# Altium PCB CONTROLLER.PcbDoc
Units mm, origin at the board's own origin, x right, y up, seen from the top; angles counter-clockwise.
Board outline 195.05 x 107.35 mm, 2 copper layers (Top Layer, Bottom Layer); 67 components, 127 nets, 388 pads, 44 vias.
Unrouted connection lines stored in the file: 1.
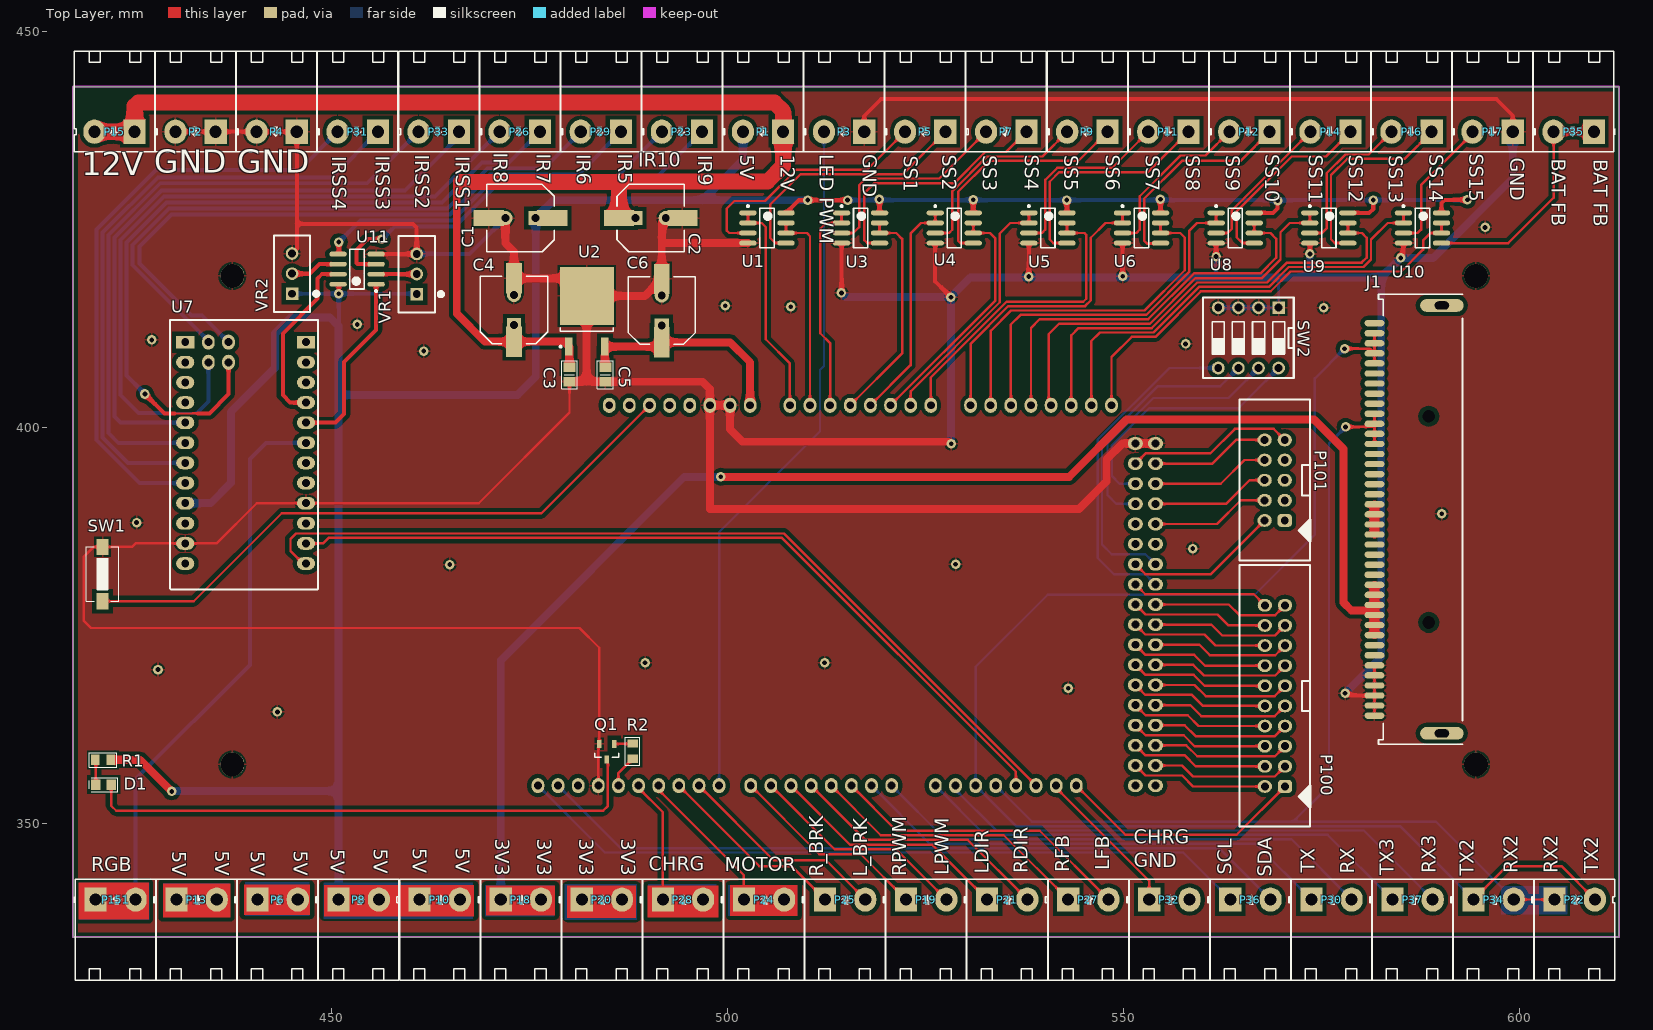
[diagram p0: Top Layer view]
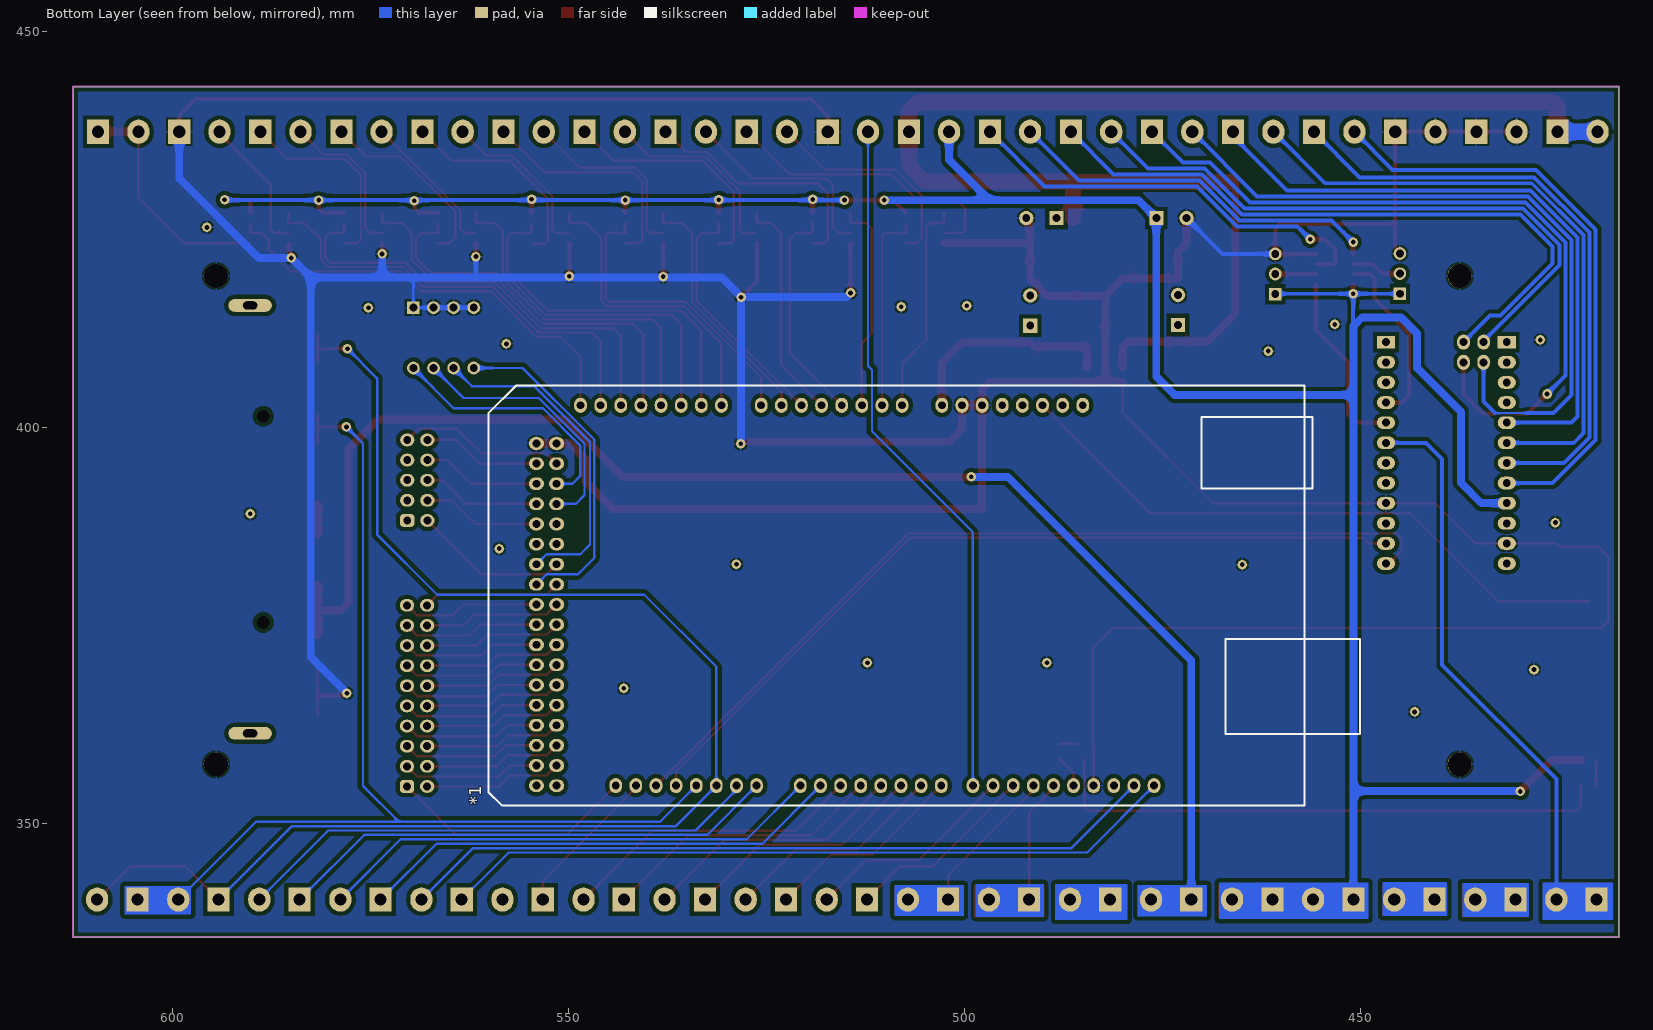
[diagram p1: Bottom Layer view, seen from below]

## Layer stack, top to bottom
Top Solder: solder mask 0.0102, Solder Resist, Dk 3.5
Top Layer: signal copper 0.0356
Dielectric 1: dielectric 0.32, FR-4, Dk 4.8
Bottom Layer: signal copper 0.0356
Bottom Solder: solder mask 0.0102, Solder Resist, Dk 3.5

## Board outline
417.45,335.7 417.45,443.05 612.5,443.05 612.5,335.7

## Design rules (kind name [scope] priority, off if disabled: settings)
Clearance [All] p1: gap=0.254 except(0.508: Arc-Poly Track-Poly SMDPad-Poly THPad-Poly Via-Poly Fill-Poly Poly-Poly Poly-Region Poly-Text)
PolygonConnect [All] p1: connectstyle=Relief reliefconductorwidth=0.254 reliefentries=4 polygonreliefangle="90 Angle" airgapwidth=0.254
RoutingVias [All] p1: holewidth=0.711 width=1.27 viastyle="Through Hole" minholewidth=0.6 minwidth=1.2 maxholewidth=0.711 maxwidth=1.27
SolderMaskExpansion [All] p1: expansion=0.102
Width [All] p1: maxlimit=5 minlimit=0.254 preferedwidth=0.254
30 further rules are at their usual default settings.

## Components (designator, comment, footprint, x,y, rotation, side; value= is the part's Value field where it differs from the comment)
*1 "Arduino Mega" "Arduino Mega" 457.096,405.327 r0 bottom
C1 "470uF" "C SMD ALU (F) DUAL" 473.9,426.45 r180 top
C2 "470uF" "C SMD ALU (F) DUAL" 490.325,426.45 r0 top
C3 "C" "C 0805" 480.075,406.7 r270 top
C4 "470uF" "C SMD ALU (F) DUAL" 473.075,414.85 r90 top
C5 "C" "C 0805" 484.6,406.7 r270 top
C6 "470uF" "C SMD ALU (F) DUAL" 491.725,414.775 r90 top
D1 "Led" "Led 0805" 421.275,354.95 r0 top
J1 "microbit socket" CONN/MIC127-140-001 590.175,388.425 r270 top
P1 "Header 2" "HDR Domino 2" 507.046,437.35 r180 top
P2 "Header 2" "HDR Domino 2" 435.433,437.35 r180 top
P3 "Header 2" "HDR Domino 2" 517.276,437.35 r180 top
P4 "Header 2" "HDR Domino 2" 445.664,437.35 r180 top
P5 "Header 2" "HDR Domino 2" 527.507,437.35 r180 top
P6 "Header 2" "HDR Domino 2" 440.711,340.45 r0 top
P7 "Header 2" "HDR Domino 2" 537.737,437.35 r180 top
P8 "Header 2" "HDR Domino 2" 450.941,340.45 r0 top
P9 "Header 2" "HDR Domino 2" 547.968,437.35 r180 top
P10 "Header 2" "HDR Domino 2" 461.172,340.45 r0 top
P11 "Header 2" "HDR Domino 2" 558.198,437.35 r180 top
P12 "Header 2" "HDR Domino 2" 568.428,437.35 r180 top
P13 "Header 2" "HDR Domino 2" 430.48,340.45 r0 top
P14 "Header 2" "HDR Domino 2" 578.659,437.35 r180 top
P15 "Header 2" "HDR Domino 2" 425.203,437.35 r180 top
P16 "Header 2" "HDR Domino 2" 588.889,437.35 r180 top
P17 "Header 2" "HDR Domino 2" 599.12,437.35 r180 top
P18 "Header 2" "HDR Domino 2" 471.402,340.45 r0 top
P19 "Header 2" "HDR Domino 2" 522.554,340.45 r0 top
P20 "Header 2" "HDR Domino 2" 481.632,340.45 r0 top
P21 "Header 2" "HDR Domino 2" 532.784,340.45 r0 top
P22 "Header 2" "HDR Domino 2" 604.397,340.45 r0 top
P23 "Header 2" "HDR Domino 2" 496.816,437.35 r180 top
P24 "Header 2" "HDR Domino 2" 502.093,340.45 r0 top
P25 "Header 2" "HDR Domino 2" 512.323,340.45 r0 top
P26 "Header 2" "HDR Domino 2" 476.355,437.35 r180 top
P27 "Header 2" "HDR Domino 2" 543.015,340.45 r0 top
P28 "Header 2" "HDR Domino 2" 491.863,340.45 r0 top
P29 "Header 2" "HDR Domino 2" 486.585,437.35 r180 top
P30 "Header 2" "HDR Domino 2" 573.706,340.45 r0 top
P31 "Header 2" "HDR Domino 2" 455.894,437.35 r180 top
P32 "Header 2" "HDR Domino 2" 553.245,340.45 r0 top
P33 "Header 2" "HDR Domino 2" 466.125,437.35 r180 top
P34 "Header 2" "HDR Domino 2" 594.167,340.45 r0 top
P35 "Header 2" "HDR Domino 2" 609.35,437.35 r180 top
P36 "Header 2" "HDR Domino 2" 563.475,340.45 r0 top
P37 "Header 2" "HDR Domino 2" 583.936,340.45 r0 top
P100 "Header 10X2" HDR/Header/20/DL/BOX 570.375,354.725 r270 top
P101 "Header 5X2" HDR/Header/10/DL/BOX 569.075,393.375 r270 top
P151 "Header 2" "HDR Domino 2" 420.25,340.45 r0 top
Q1 "Transistor NPN" SOT-23 484.775,359.1 r270 top
R1 "1K" "R 0805" 421.213,358.075 r0 top
R2 "4k7" "R 0805" 488.05,359.175 r90 top
SW1 "Button" SW/2/SMD 421.15,381.525 r90 top
SW2 "SW DIP-4" SW/DIP4 569.575,415.15 r180 top
U1 "LM358" SOIC-8 505,425.2 r0 top
U2 "7809" "TO-252 (DPAK)" 482.275,414.675 r90 top
U3 "LM358" SOIC-8 516.818,425.2 r0 top
U4 "LM358" SOIC-8 528.636,425.2 r0 top
U5 "LM358" SOIC-8 540.454,425.2 r0 top
U6 "LM358" SOIC-8 552.271,425.2 r0 top
U7 "U" "PRO MINI" 435.525,401.775 r270 top
U8 "LM358" SOIC-8 564.089,425.2 r0 top
U9 "LM358" SOIC-8 575.907,425.2 r0 top
U10 "LM358" SOIC-8 587.725,425.2 r0 top
U11 "LM358" SOIC-8 453.275,420 r180 top
VR1 "VR" "R VAR E" 460.8,416.85 r90 top
VR2 "VR" "R VAR E" 445.075,416.9 r90 top

## Footprints (in the part's own frame and the unit in brackets; to place one, negate y for a bottom-side part, rotate by r counter-clockwise, add the part's x,y. Pads: shape width x height; smd on the part's side, far side on the other; paste and mask are expansions set on the pad)
"Arduino Mega" [mm]
  oval 1.6x1.9 hole 1: 0(63.64,50.5) 1(61.1,50.5) 2(58.56,50.5) 3(56.02,50.5) 3V3(35.62,2.5) 4(53.48,50.5) 5(50.94,50.5) 5V(38.16,2.5) 6(48.4,50.5) 7(45.86,50.5) 8(41.86,50.5) 9(39.32,50.5) 10(36.78,50.5) 11(34.24,50.5) 12(31.7,50.5) 13(29.16,50.5) 14(69.16,50.5) 15(71.7,50.5) 16(74.24,50.5) 17(76.78,50.5) 18(79.32,50.5) 19(81.86,50.5) 20(84.4,50.5) 21(86.94,50.5) A0(50.8,2.5) A1(53.34,2.5) A2(55.88,2.5) A3(58.42,2.5) A4(60.96,2.5) A5(63.5,2.5) A6(66.04,2.5) A7(68.58,2.5) A8(73.6,2.5) A9(76.14,2.5) A10(78.68,2.5) A11(81.22,2.5) A12(83.76,2.5) A13(86.3,2.5) A14(88.84,2.5) A15(91.38,2.5) AREF(24.08,50.5) GND1(40.7,2.5) GND2(43.24,2.5) GND3(26.62,50.5) IOREF(30.54,2.5) NC(28,2.5) RESET(33.08,2.5) SCL(19,50.5) SDA(21.54,50.5) Vin(45.78,2.5)
  oval 1.9x1.6 hole 1: 5V_2(94.4,50.5) 5V_3(96.94,50.5) 22(94.4,47.96) 23(96.94,47.96) 24(94.4,45.42) 25(96.94,45.42) 26(94.4,42.88) 27(96.94,42.88) 28(94.4,40.34) 29(96.94,40.34) 30(94.4,37.8) 31(96.94,37.8) 32(94.4,35.26) 33(96.94,35.26) 34(94.4,32.72) 35(96.94,32.72) 36(94.4,30.18) 37(96.94,30.18) 38(94.4,27.64) 39(96.94,27.64) 40(94.4,25.1) 41(96.94,25.1) 42(94.4,22.56) 43(96.94,22.56) 44(94.4,20.02) 45(96.94,20.02) 46(94.4,17.48) 47(96.94,17.48) 48(94.4,14.94) 49(96.94,14.94) 50(94.4,12.4) 51(96.94,12.4) 52(94.4,9.86) 53(96.94,9.86) GND4(94.4,7.32) GND5(96.94,7.32)
  silkscreen extent -7,0 103,53, body extent -6.16,-0.17 101.9,53.17
"C 0805" [mm] "Chip Capacitor, 2-Leads, Body 2.0x1.3mm, IPC Medium Density"
  rect 1.2x1.5 smd: 1(-0.9,0) 2(0.9,0)
  silkscreen extent -1.78,-1 1.78,1, body extent -1,-0.64 1,0.61, height 0.6
"C SMD ALU (F) DUAL" [mm] "SMD Aluminum Electrolytic Capacitor, size F (8.0 x 10.2 mm)"
  rect 3.81x2 smd: 1(-4,0) 2(4,0)
  rect 1.8x1.8 hole 1: 1(-1.905,0)
  round 1.8 hole 1: 2(1.905,0)
  silkscreen extent -4.25,-4.25 4.25,4.25, body extent -4.95,-4.15 4.95,4.15, height 10.2
CONN/MIC127-140-001 [mm]
  oval 0.8x2.5 smd: 1(-24.765,-8.51) 2(-23.495,-8.51) 3(-22.225,-8.51) 4(-20.955,-8.51) 5(-19.685,-8.51) 6(-18.415,-8.51) 7(-17.145,-8.51) 8(-15.875,-8.51) 9(-14.605,-8.51) 10(-13.335,-8.51) 11(-12.065,-8.51) 12(-10.795,-8.51) 13(-9.525,-8.51) 14(-8.255,-8.51) 15(-6.985,-8.51) 16(-5.715,-8.51) 17(-4.445,-8.51) 18(-3.175,-8.51) 19(-1.905,-8.51) 20(-0.635,-8.51) 21(0.635,-8.51) 22(1.905,-8.51) 23(3.175,-8.51) 24(4.445,-8.51) 25(5.715,-8.51) 26(6.985,-8.51) 27(8.255,-8.51) 28(9.525,-8.51) 29(10.795,-8.51) 30(12.065,-8.51) 31(13.335,-8.51) 32(14.605,-8.51) 33(15.875,-8.51) 34(17.145,-8.51) 35(18.415,-8.51) 36(19.685,-8.51) 37(20.955,-8.51) 38(22.225,-8.51) 39(23.495,-8.51) 40(24.765,-8.51)
  oval 1.6x5.5 hole 1 slot 1.8 at 90 deg: HOLE(-27,0) HOLE(27,0)
  round 0 hole 1.6 unplated: HOLE(-13,-1.66) HOLE(13,-1.66)
  silkscreen extent -28.4,-8 28.4,2.6, body extent -28.4,-8 28.4,2.6, height 10.2
"HDR Domino 2" [mil] "Header 2, 2 pin, hight 300mil, Pin to Pin 200, Colour Green"
  rect 110x120 hole 60: 1(0,0)
  oval 110x120 hole 60: 2(200,0)
  silkscreen extent -105,-400 300,100, body extent -90,-402 302,70, height 334
HDR/Header/10/DL/BOX [mm] "10 pins Male Box Header, IDC Socket"
  rrect50% 1.6x1.8 hole 1: 1(5.08,1.27)
  oval 1.6x1.8 hole 1: 2(5.08,-1.27) 3(2.54,1.27) 4(2.54,-1.27) 5(0,1.27) 6(0,-1.27) 7(-2.54,1.27) 8(-2.54,-1.27) 9(-5.08,1.27) 10(-5.08,-1.27)
  silkscreen extent -10.16,-4.45 10.16,4.58, body extent -10.16,-4.81 10.16,4.66, height 9.27
HDR/Header/20/DL/BOX [mm] "20 pins Male Box Header, IDC Socket"
  rrect50% 1.6x1.8 hole 1: 1(0,0)
  oval 1.6x1.8 hole 1: 2(0,-2.54) 3(-2.54,0) 4(-2.54,-2.54) 5(-5.08,0) 6(-5.08,-2.54) 7(-7.62,0) 8(-7.62,-2.54) 9(-10.16,0) 10(-10.16,-2.54) 11(-12.7,0) 12(-12.7,-2.54) 13(-15.24,0) 14(-15.24,-2.54) 15(-17.78,0) 16(-17.78,-2.54) 17(-20.32,0) 18(-20.32,-2.54) 19(-22.86,0) 20(-22.86,-2.54)
  silkscreen extent -27.94,-5.72 5.08,3.31, body extent -27.94,-6.05 5.08,3.43, height 9.27
"Led 0805" [mm] "Led SMD 0805"
  rect 1.2x1.3 smd: 1(-0.975,0) 2(0.975,0)
  silkscreen extent -1.78,-0.89 1.78,0.89, body extent -1.01,-0.64 1.01,0.61, height 1.1
"PRO MINI" [mil]
  oval 62.99x90 hole 39.37: 0(645,445) 1(745,445) 2(345,445) 3(245,445) 4(145,445) 5(45,445) 6(-55,445) 7(-155,445) 8(-255,445) 11(-255,-155) 12(-155,-155) 13(-55,-155) 14(45,-155) 15(145,-155) 16(245,-155) 17(345,-155) 21(445,-155) 22(445,445) 23(545,445) 24(545,-155) 25(645,-155) 26(745,-155)
  rect 62.99x90 hole 39.37: 9(-355,445) 10(-355,-155)
  oval 75x62.99 hole 39.37: 18(-355,60) 19(-355,-40) 20(-255,60) 27(-255,-40)
  silkscreen extent -465,-230 875,505, body extent -434,-222 904,510, height 594
"R 0805" [mm] "Chip Resistor, 2-Leads, Body 2.0x1.3mm, IPC Medium Density"
  rect 1.05x1.35 smd: 1(-0.975,0) 2(0.975,0)
  silkscreen extent -1.75,-0.92 1.75,0.92, body extent -1,-0.61 1,0.59, height 0.5
"R VAR E" [mm]
  rect 1.6x1.6 hole 1: 1(0,0)
  round 1.6 hole 1: 2(2.54,0) 3(5.08,0)
  silkscreen extent -2.29,-3.3 7.37,2.29, body extent -2.36,-2.47 7.44,2.48, height 11.67
SOIC-8 [mm] "SOIC, 8-Leads, Body 5.0x4.0mm (max), Pitch 1.27mm, IPC Medium Density"
  oval 2.2x0.6 smd: 1(-2.4,1.905) 2(-2.4,0.635) 3(-2.4,-0.635) 4(-2.4,-1.905) 5(2.4,-1.905) 6(2.4,-0.635) 7(2.4,0.635) 8(2.4,1.905)
  silkscreen extent -2.52,-2.5 0.9,2.88, body extent -3,-2.49 3,2.41, height 1.75
SOT-23 [mm] "SOT23, 3-Leads, Body 3.0x2.5mm (max), Pitch 0.95mm, IPC Medium Density"
  rect 1x0.6 smd: 1(-1,0.95) 2(-1,-0.95) 3(1,0)
  silkscreen extent 0.2,-1.5 0.7,1.5, body extent -1.28,-1.46 1.27,1.46, height 0.95
SW/2/SMD [mil]
  rect 80x60 smd: 1(-135,0) 2(135,0)
  silkscreen extent -135,-80 135,80, body extent -120,-73 120,73, height 98
SW/DIP4 [mm]
  rect 1.6x1.6 hole 1: 1(0,0)
  round 1.6 hole 1: 2(2.54,0) 3(5.08,0) 4(7.62,0) 5(7.62,7.62) 6(5.08,7.62) 7(2.54,7.62) 8(0,7.62)
  silkscreen extent -1.91,-1.27 9.53,8.89, body extent -1.27,0 8.89,7.62, height 4.19
"TO-252 (DPAK)" [mm] "D-PAK, 3-Pads, Body 6.2x6.7mm (max), IPC Medium Density"
  rect 2.25x0.95 smd: 1(-4.45,2.28) 3(-4.45,-2.28)
  rect 7.3x6.8 smd: 2(1.95,0)
  silkscreen extent -4.57,-3.35 -2.1,3.43, body extent -4.54,-3.27 5.4,3.27, height 2.41

## Part data
C1 C2 C4 C6: library part Capacitor, "Capacitor pol"
C3 C5: library part "Capacitor NP", "Capacitor non-pol"
D1: "Typical LED"
J1: library part "CON MICROBIT", "microbit socket 40 pins"
P1 P2 P3 P4 P5 P6 P7 P8 P9 P10 P11 P12 P13 P14 P15 P16 P17 P18 P19 P20 P21 P22 P23 P24 P25 P26 P27 P28 P29 P30 P31 P32 P33 P34 P35 P36 P37 P151: "Header, 2-Pin"
P100: "Header, 10-Pin, Dual row"
P101: "Header, 5-Pin, Dual row"
Q1: "NPN Bipolar Transistor"
R1 R2: library part Resistor, "Resistor"
SW1: library part "SW SPST", "Tact switch 2 pin"
U1 U3 U4 U5 U6 U8 U9 U10 U11: "Low Power Dual Operational Amplifiers"
U2: library part 78xx, "LDO Fixed Voltage regulator"
U7: library part ProMini
VR1 VR2: library part "Resistor Variable", "Resistor Variable"

## Free pads (board coordinates)
  round 3 hole 3: 0(437.525,419.15) 1(437.525,357.5) 2(594.475,419.15) 3(594.475,357.5)

## Via types
v1: diameter 1.2, hole 0.6, Top Layer to Bottom Layer, tented both sides, 44 vias

## Nets (pads, with @x,y where several pads share a name; then routed paths per layer and width w, separated by ;. In a path a pad name is that pad's centre, name@x,y a point inside that pad or via, vN(x,y) a via of type N, cw(c..) or ccw(c..) an arc to the next point about the centre after c; other vN are vias at no path point)
3V3_01: J1.27 J1.28 J1.29 J1.30 J1.31 J1.32 P18.1 P18.2 | length 180.3
  Top Layer w1: v1(499.175,393.8) 543.15,393.8 550.375,401.025 574.05,401.025 577.75,397.325 577.75,377.95 578.75,376.95 581.1,376.95 581.225,377.075 ; J1.32 J1.31 J1.30 J1.29 J1.28 J1.27
  Bottom Layer w1: P18.1 471.402,370.627 494.575,393.8 v1(499.175,393.8)
3V3_02: P20.1 P20.2
5V: C1.1 P1.2 P8.1 P8.2 P10.1 P10.2 R1.2 U1.8 U3.8 U4.8 U5.8 U6.8 U7.21 U8.8 U9.8 U10.8 U11.8 VR1.1 VR2.1 | length 377.6
  Top Layer w0.5: U11.8 450.975,417.995 v1(450.975,416.9) ; U1.8 509.02,428.725 v1(510.15,428.725) v1(515.175,428.725) ; v1(519.182,428.807) 519.218,428.807 U3.8 ; v1(531.025,428.775) 531.036,428.764 U4.8 ; v1(542.825,428.725) 542.854,428.696 U5.8 ; v1(554.65,428.825) 554.671,428.804 U6.8 ; U8.8 568.88,427.105 569.45,427.675 v1(569.45,428.625) ; U9.8 581.005,427.105 581.525,427.625 v1(581.525,428.725) ; U10.8 590.125,428.35 590.525,428.75 v1(593.4,428.75)
  Top Layer w1: R1.2 425.9,358.075 v1(429.875,354.1)
  Bottom Layer w0.5: VR2.1 v1(450.975,416.9) ; 450.941,410.475 450.975,410.509 v1(450.975,416.9) ; VR1.1 460.75,416.9 v1(450.975,416.9) ; v1(515.175,428.725) v1(542.825,428.725) v1(581.525,428.725) 593.375,428.725 v1(593.4,428.75)
  Bottom Layer w1: v1(429.875,354.1) 429.925,354.15 450.941,354.15 ; U7.21 434.797,390.472 437.375,393.05 437.375,402 442.925,407.55 442.925,411.9 444.95,413.925 449.825,413.925 450.941,412.809 450.941,410.475 450.941,404.15 ; P10.2 P10.1 P8.2 P8.1 450.941,354.15 ; P1.2 501.966,433.816 496.85,428.7 ; v1(510.15,428.725) 510.125,428.7 496.85,428.7 ; 450.941,354.15 450.941,404.15 ; 450.941,404.15 473.525,404.15 475.825,406.45 475.825,426.43 475.805,426.45 478.055,428.7 496.85,428.7
5V_LED: P13.1 P13.2 | length 5.1
  Bottom Layer w0.5: P13.1 P13.2
5V_LINE: P6.1 P6.2 | length 5.1
  Bottom Layer w0.5: P6.1 P6.2
9V: *1.Vin C5.1 C6.1 U2.3 | length 27.7
  Top Layer w1: C5.1 484.555,407.645 U2.3 491.175,410.225 491.725,410.775 500.35,410.775 502.876,408.249 *1.Vin
12V: C2.1 C3.1 C4.1 P1.1 P15.1 P15.2 U2.1 | length 183.8
  Top Layer w1: 465.85,430.825 465.85,414.4 469.4,410.85 473.075,410.85 479.37,410.85 U2.1 480.075,410.145 C3.1
  Top Layer w2: P15.2 P15.1 425.203,440.578 425.65,441.025 505.95,441.025 507.046,439.929 P1.1 507.046,433.046 505.075,431.075 486.275,431.075 ; 466.375,431.025 486.325,431.025 C2.1@486.325,426.45
  Bottom Layer w2: P15.2 P15.1
_IRSS9: U7.5 U11.1 | length 23.3
  Top Layer w0.5: U7.5 450.532,400.632 451.625,401.725 451.625,408.3 455.675,412.35 U11.1
_IRSS10: U7.6 U11.7 | length 22.7
  Top Layer w0.5: U7.6 444.828,403.172 443.9,404.1 443.9,411.9 448.275,416.275 448.275,418.825 448.815,419.365 U11.7
_SS1: *1.A0 U1.1 U1.2 | length 27.5
  Top Layer w0.3: U1.1 U1.2 504.34,425.835 504.85,425.325 504.85,411.15 507.896,408.104 *1.A0
_SS2: *1.A1 U1.6 U1.7 | length 25.8
  Top Layer w0.3: U1.7 U1.6 510.035,424.565 510.436,424.164 *1.A1
_SS3: *1.A2 U3.1 U3.2 | length 27.1
  Top Layer w0.3: *1.A2 512.976,410.674 511.725,411.925 511.725,425.1 512.46,425.835 U3.2 U3.1
_SS4: *1.A3 U3.6 U3.7 | length 28.1
  Top Layer w0.3: *1.A3 522.05,409.361 522.05,423.825 521.31,424.565 U3.6 U3.7
_SS5: *1.A4 U4.1 U4.2 | length 28.7
  Top Layer w0.3: *1.A4 523.125,407.896 523.125,424.525 524.435,425.835 U4.2 U4.1
_SS6: *1.A5 U4.6 U4.7 | length 30.9
  Top Layer w0.3: *1.A5 533.825,416.056 533.825,423.875 533.135,424.565 U4.6 U4.7
_SS7: *1.A6 U5.1 U5.2 | length 31.8
  Top Layer w0.3: *1.A6 523.136,404.584 534.379,415.827 534.379,424.504 535.71,425.835 U5.2 U5.1
_SS8: *1.A7 U5.6 U5.7 | length 39.1
  Top Layer w0.3: *1.A7 525.676,406.34 535.231,415.895 544.92,415.895 545.3,416.275 545.3,424.325 545.06,424.565 U5.6 U5.7
_SS9: *1.A8 U6.1 U6.2 | length 39.2
  Top Layer w0.3: *1.A8 530.696,410.577 535.46,415.341 545.149,415.341 545.854,416.046 545.854,423.979 547.71,425.835 U6.2 U6.1
_SS10: *1.A9 U6.6 U6.7 | length 45.7
  Top Layer w0.3: *1.A9 533.236,412.211 535.812,414.787 552.637,414.787 557.725,419.875 557.725,424 557.16,424.565 U6.6 U6.7
_SS11: *1.A10 U8.1 U8.2 | length 45.7
  Top Layer w0.3: *1.A10 535.776,413.001 537.008,414.233 552.866,414.233 558.279,419.646 558.279,424.829 559.285,425.835 U8.2 U8.1
_SS12: *1.A11 U8.6 U8.7 | length 51.1
  Top Layer w0.3: *1.A11 538.316,412.591 539.404,413.679 553.096,413.679 558.892,419.475 567.275,419.475 569.25,421.45 569.25,423.85 568.535,424.565 U8.6 U8.7
_SS13: *1.A12 U9.1 U9.2 | length 51.2
  Top Layer w0.3: *1.A12 540.55,403.133 540.55,411.8 541.875,413.125 553.325,413.125 559.075,418.875 567.458,418.875 569.804,421.221 569.804,424.654 570.985,425.835 U9.2 U9.1
_SS14: *1.A13 U9.6 U9.7 | length 56.6
  Top Layer w0.3: *1.A13 543.396,411.646 544.321,412.571 553.555,412.571 559.305,418.321 568.121,418.321 570.625,420.825 580.05,420.825 580.675,421.45 580.675,423.975 580.085,424.565 U9.6 U9.7
_SS15: *1.A14 U10.1 U10.2 | length 56.4
  Top Layer w0.3: *1.A14 545.936,410.936 547.017,412.017 553.784,412.017 559.534,417.767 568.35,417.767 570.854,420.271 580.279,420.271 581.229,421.221 581.229,423.729 583.335,425.835 U10.2 U10.1
CHARGE_24_RELAY: *1.12 P28.1 P28.2 | length 15.6
  Top Layer w0.3: *1.12 488.796,354.529 491.863,351.462 P28.1
CHARGE_GND_RELAY: *1.20 P32.1 P32.2 | length 19.2
  Top Layer w0.3: *1.20 541.496,354.554 553.245,342.805 P32.1
D1: *1.21 P100.1 | length 31.4
  Top Layer w0.3: *1.21 550.238,348.625 564.275,348.625 P100.1
D2: *1.22 P100.2 | length 17.4
  Top Layer w0.3: *1.22 552.763,356.1 557.4,356.1 558.775,354.725 P100.2
D3: *1.23 P100.3 | length 17.4
  Top Layer w0.3: *1.23 557.383,357.367 558.775,355.975 569.085,355.975 P100.3
D4: *1.24 P100.4 | length 17.4
  Top Layer w0.3: *1.24 552.728,358.675 557.675,358.675 559.085,357.265 P100.4
D5: *1.25 P100.5 | length 17.4
  Top Layer w0.3: *1.25 557.918,359.907 559.3,358.525 569.095,358.525 P100.5
D6: *1.26 P100.6 | length 17.4
  Top Layer w0.3: *1.26 552.768,361.175 557.6,361.175 558.97,359.805 P100.6
D7: *1.27 P100.7 | length 17.4
  Top Layer w0.3: *1.27 557.703,362.447 559.075,361.075 569.105,361.075 P100.7
D8: *1.28 P100.8 | length 17.4
  Top Layer w0.3: *1.28 552.783,363.7 558.1,363.7 559.455,362.345 P100.8
D9: *1.29 P100.9 | length 17.5
  Top Layer w0.3: *1.29 558.413,364.987 559.825,363.575 569.065,363.575 P100.9
D10: *1.30 P100.10 | length 17.4
  Top Layer w0.3: *1.30 552.748,366.275 558.625,366.275 560.015,364.885 P100.10
D11: *1.31 P100.11 | length 17.5
  Top Layer w0.3: *1.31 558.973,367.527 560.375,366.125 569.075,366.125 P100.11
D12: *1.32 P100.12 | length 17.4
  Top Layer w0.3: *1.32 552.763,368.8 558.85,368.8 560.225,367.425 P100.12
D13: *1.33 P100.13 | length 17.4
  Top Layer w0.3: *1.33 558.808,370.067 560.15,368.725 569.135,368.725 P100.13
D14: *1.34 P100.14 | length 17.4
  Top Layer w0.3: *1.34 552.778,371.325 558.925,371.325 560.285,369.965 P100.14
D15: *1.35 P100.15 | length 17.4
  Top Layer w0.3: *1.35 559.568,372.607 560.9,371.275 569.145,371.275 P100.15
D16: *1.36 P100.16 | length 17.4
  Top Layer w0.3: *1.36 552.743,373.9 560.2,373.9 561.595,372.505 P100.16
D17: *1.37 P100.17 | length 17.4
  Top Layer w0.3: *1.37 561.078,375.147 562.45,373.775 569.105,373.775 P100.17
D18: *1.38 P100.18 | length 17.4
  Top Layer w0.3: *1.38 552.758,376.425 561.85,376.425 563.23,375.045 P100.18
D19: *1.39 P100.19 | length 17.4
  Top Layer w0.3: *1.39 563.288,377.687 564.625,376.35 569.14,376.35 P100.19
D20: *1.40 P100.20 | length 17.4
  Top Layer w0.3: *1.40 552.748,378.975 566.445,378.975 P100.20
D21: *1.41 SW2.5 | length 42.6
  Bottom Layer w0.3: *1.41 552.763,381.5 548.8,381.5 546.725,383.575 546.725,398.475 555.78,407.53 SW2.5
D22: *1.42 P101.2 | length 19.6
  Top Layer w0.3: *1.42 552.738,381.525 561.035,381.525 P101.2
D23: *1.43 SW2.6 | length 41.8
  Bottom Layer w0.3: *1.43 552.778,384.025 548.504,384.025 547.279,385.25 547.279,398.179 554.35,405.25 562.215,405.25 SW2.6
D24: *1.47 P101.4 | length 15
  Top Layer w0.3: *1.47 561.797,387.847 564.785,390.835 P101.4
D25: *1.48 SW2.7 | length 33.5
  Bottom Layer w0.3: *1.48 549.088,390.387 547.971,391.504 547.971,397.971 553.75,403.75 563.255,403.75 SW2.7
D26: *1.49 P101.6 | length 15
  Top Layer w0.3: *1.49 562.912,390.387 565.9,393.375 P101.6
D27: *1.50 SW2.8 | length 32.3
  Bottom Layer w0.3: *1.50 549.498,392.927 548.525,393.9 548.525,397.741 553.233,402.45 564.495,402.45 SW2.8
D28: *1.51 P101.8 | length 15
  Top Layer w0.3: *1.51 562.277,392.927 565.265,395.915 P101.8
D29: *1.52 P101.9 | length 21.2
  Top Layer w0.3: *1.52 552.779,396.75 560.95,396.75 564.05,399.85 568.95,399.85 P101.9
D30: *1.53 P101.10 | length 15
  Top Layer w0.3: *1.53 561.217,395.467 564.205,398.455 P101.10
D31: *1.44
D32: *1.45
D33: *1.46
D34: U7.2
D35: U7.3
D36: U7.7
D37: U7.8
D38: U7.9
D39: U7.10
D40: U7.11
D41: U7.12
D42: U7.13
D43: U7.23
D44: U7.24
GND: *1.GND1 *1.GND2 *1.GND3 *1.GND4 *1.GND5 C1.2 C2.2 C3.2 C4.2 C5.2 C6.2 J1.35 J1.36 J1.37 J1.38 J1.39 J1.40 P2.1 P2.2 P3.1 P4.1 P4.2 P17.1 pad.0 pad.1 pad.2 pad.3 Q1.2 SW1.2 SW2.1 SW2.2 SW2.3 SW2.4 U1.4 U2.2 U3.4 U4.4 U5.4 U6.4 U7.22 U7.25 U8.4 U9.4 U10.4 U11.4 VR1.3 VR2.3 | length 731.3
  Top Layer w0.3: C3.2 480.075,401.925 468.622,390.472 U7.22 440.622,390.472 435.542,385.392 U7.25 425.317,385.392 424.879,384.954 SW1.2 420.004,384.954 418.8,383.75 418.8,375.6 419.675,374.725 481.325,374.725 483.825,372.225 Q1.2 483.716,359.991 *1.GND3 ; J1.40 J1.39 J1.38 J1.37 J1.36 J1.35
  Top Layer w0.5: P2.2 P2.1 P4.2 P4.1 445.664,425.725 ; VR2.3 445.664,422.569 445.664,425.725 ; U11.4 460.775,421.905 VR1.3 460.8,425.275 460.35,425.725 445.664,425.725 ; v1(514.4,417) 514.418,417.018 U3.4 ; P3.1 517.276,439.351 519.375,441.45 597.05,441.45 599.12,439.38 P17.1 ; U4.4 526.236,418.464 v1(528.225,416.475) ; v1(538.025,419.075) 538.054,419.104 U5.4 ; U6.4 549.871,419.129 v1(549.9,419.1) ; v1(561.675,421.6) 561.689,421.614 U8.4 ; U9.4 573.507,421.943 v1(573.525,421.925) ; v1(577.95,366.475) 578.225,366.2 J1.38 ; v1(584.975,421.425) 585.325,421.775 U10.4
  Top Layer w1: C1.2@471.995,426.45 471.995,423.28 473.075,422.2 473.075,418.85 480.05,418.85 U2.2 ; C3.2 482.25,405.8 ; C2.2@492.23,426.45 491.725,425.945 491.725,423.125 ; U1.4 491.895,423.295 491.725,423.125 ; v1(528.25,397.975) 528,398.225 501.925,398.225 500.336,399.814 *1.GND2 *1.GND1 ; *1.GND5 *1.GND4 549.857,398.007 547.825,395.975 547.825,393.2 544.364,389.739 497.786,389.739 497.786,402.817 *1.GND1 ; 482.25,405.8 C5.2 496.875,405.8 497.796,404.879 *1.GND1 ; 482.25,405.8 482.25,416.6 U2.2 ; U2.2 489.575,416.625 491.725,418.775 491.725,423.125
  Bottom Layer w0.3: SW2.4 SW2.3 SW2.2 SW2.1 569.575,418.975
  Bottom Layer w0.5: VR1.3 467.475,421.93 C1.2@471.995,426.45 ; v1(561.675,421.6) 561.675,419.1 561.8,418.975
  Bottom Layer w1: v1(514.4,417) 514.925,416.475 v1(528.225,416.475) ; v1(528.25,397.975) v1@528.25,416.475 ; v1@528.25,416.55 530.675,418.975 561.8,418.975 569.575,418.975 573.5,418.975 ; v1@573.5,421.625 573.5,418.975 ; v1(577.95,366.475) 582.525,371.05 582.525,418.975 ; P17.1 599.12,431.47 589.075,421.425 v1(584.975,421.425) 582.525,418.975 ; 573.5,418.975 582.525,418.975
  other v1: 443.225,364.125 543.025,367.125 428.15,369.475 489.625,370.325 512.275,370.325 464.975,382.725 528.8,382.75 558.725,384.75 425.45,388.025 590.15,389.125 461.675,409.675 557.825,410.575 427.35,411.075 453.3,413.025 575.25,415.15 508,415.25 499.725,415.4 595.625,425.275
IRSS1: P33.1 U7.14 | length 81.2
  Bottom Layer w0.5: U7.14 423.43,400.632 422.662,401.4 422.662,424.004 428.608,429.95 459.316,429.95 466.125,436.758 P33.1
IRSS2: P33.2 U7.15 | length 79.7
  Bottom Layer w0.5: U7.15 423.133,398.092 421.908,399.317 421.908,424.317 428.437,430.846 454.541,430.846 P33.2
IRSS3: P31.1 U7.16 | length 77.6
  Bottom Layer w0.5: U7.16 424.364,395.552 421.154,398.762 421.154,424.629 428.125,431.6 450.144,431.6 P31.1
IRSS4: P31.2 U7.17 | length 75.5
  Bottom Layer w0.5: U7.17 425.838,393.012 420.4,398.45 420.4,425 427.925,432.525 445.989,432.525 P31.2
IRSS5: P29.1 U7.18 | length 84.3
  Bottom Layer w0.5: U7.18 433.691,414.15 432.391,414.15 425.808,420.733 425.808,422.858 429.863,426.913 464.988,426.913 470.029,431.954 481.189,431.954 P29.1
IRSS6: P29.2 U7.19 | length 78.7
  Bottom Layer w0.5: U7.19 434.509,410.966 424.924,420.551 424.924,423.067 429.524,427.667 464.675,427.667 469.333,432.325 469.717,432.708 476.863,432.708 P29.2
IRSS7: P26.1 U7.20 | length 94.7
  Top Layer w0.254: 430.25,401.775 430.275,401.8 430.743,401.8 430.756,401.813 432.42,401.813 432.433,401.8 433.2,401.8
  Top Layer w0.5: v1(426.5,404.25) 428.975,401.775 430.25,401.775 ; 433.2,401.8 434.625,401.8 437.049,404.224 U7.20
  Bottom Layer w0.5: v1(426.5,404.25) 424.17,406.58 424.17,423.38 429.211,428.421 464,428.421 469.041,433.462 472.467,433.462 P26.1
IRSS8: P26.2 U7.27 | length 90.7
  Bottom Layer w0.254: 429.05,401.85 433.05,401.85 ; U7.27@434.45,408.193 U7.27
  Bottom Layer w0.5: 429.05,401.85 425.716,401.85 423.416,404.15 423.416,423.692 428.899,429.175 463.1,429.175 P26.2 ; 433.05,401.85 434.509,403.309 U7.27
IRSS9: P23.1 U11.3 | length 54
  Top Layer w0.5: U11.3 453.34,420.635 453.225,420.75 453.225,422.45 454.55,423.775 v1(456.4,423.775)
  Bottom Layer w0.5: v1(456.4,423.775) 458.03,425.405 465.613,425.405 470.654,430.446 489.912,430.446 P23.1
IRSS10: P23.2 U11.5 | length 48.1
  Top Layer w0.5: U11.5 450.975,422.005 v1(450.975,423.425)
  Bottom Layer w0.5: v1(450.975,423.425) 453.709,426.159 465.3,426.159 470.341,431.2 485.586,431.2 P23.2
LBRAKE: *1.9 P25.2 | length 26.9
  Top Layer w0.3: *1.9 505.843,345.4 512.453,345.4 P25.2
LDIR: *1.5 P21.1 | length 30.7
  Top Layer w0.3: *1.5 515.513,347.35 525.884,347.35 P21.1
"LED PWM": *1.8 P3.2 | length 88
  Bottom Layer w0.3: *1.8 498.956,386.806 511.7,399.55 511.7,407.3 512.196,407.796 P3.2
LED_RGB: P151.1 P151.2 U7.4 | length 74.6
  Bottom Layer w0.5: P151.1 P151.2 425.33,355.655 439.75,370.075 439.75,396.075 441.767,398.092 U7.4
LPWM: *1.6 P19.2 | length 28.1
  Top Layer w0.3: *1.6 513.527,346.796 521.288,346.796 P19.2
LSPEED: *1.2 P27.2 | length 38.4
  Top Layer w0.3: *1.2 521.354,349.129 539.416,349.129 P27.2
MOTOR_RELAY: *1.11 P24.1 P24.2 | length 18.8
  Top Layer w0.3: *1.11 491.336,354.264 502.093,343.507 P24.1
Net*1_13: *1.13 R2.1 | length 4.1
  Top Layer w0.3: *1.13 486.256,356.406 R2.1
Net*1_A15: *1.A15 U10.6 U10.7 | length 56.2
  Top Layer w0.3: *1.A15 548.476,408.901 551.038,411.463 554.014,411.463 559.764,417.213 568.58,417.213 571.084,419.717 585.042,419.717 587.8,422.475 587.8,423.625 588.74,424.565 U10.6 U10.7
Net*1_RESET: *1.RESET SW1.1 | length 79.3
  Top Layer w0.3: SW1.1 432.671,378.096 443.775,389.2 476.549,389.2 *1.RESET
NetD1_1: D1.1 R1.1 | length 3.2
  Top Layer w0.3: R1.1 420.3,358.013 D1.1
NetD1_2: D1.2 Q1.3 | length 71.8
  Top Layer w0.3: D1.2 422.25,352.275 422.875,351.65 484.325,351.65 484.92,352.245 484.92,357.955 Q1.3
NetJ1_19: J1.19 J1.20 J1.21 J1.22 | length 3.8
  Top Layer w1: J1.22 J1.21 J1.20 J1.19
NetQ1_1: Q1.1 R2.2 | length 2.3
  Top Layer w0.3: Q1.1 488,360.1 R2.2
NetU11_2: U11.2 VR1.2 | length 5.1
  Top Layer w0.5: U11.2 460.775,419.365 VR1.2
NetU11_6: U11.6 VR2.2 | length 6.3
  Top Layer w0.5: VR2.2 447.34,419.44 448.535,420.635 U11.6
RBRAKE: *1.10 P25.1 | length 24.4
  Top Layer w0.3: *1.10 504.028,344.675 508.098,344.675 P25.1
RDIR: *1.4 P21.2 | length 33.2
  Top Layer w0.3: *1.4 517.428,347.975 530.339,347.975 P21.2
RPWM: *1.7 P19.1 | length 25.6
  Top Layer w0.3: *1.7 511.608,346.175 516.829,346.175 P19.1
RSPEED: *1.3 P27.1 | length 35.9
  Top Layer w0.3: *1.3 519.368,348.575 534.89,348.575 P27.1
RX: *1.0 P30.2 | length 64
  Bottom Layer w0.3: *1.0 527.509,348.054 571.182,348.054 P30.2
RX1: *1.19 U7.1 | length 111.7
  Top Layer w0.3: U7.1 446.473,382.852 444.875,384.45 444.875,385.95 445.575,386.65 507.133,386.65 *1.19
RX2: *1.17 J1.10 J1.11 J1.12 J1.13 P22.1 P34.2 | length 136.7
  Top Layer w0.3: v1(578.025,400.1) 581.275,400.1 J1.11 ; J1.13 J1.12 J1.11 ; J1.10 J1.11 ; P34.2 P22.1
  Bottom Layer w0.3: *1.17 538.433,350.27 571.4,350.27 ; v1(578.025,400.1) 575.925,398 575.925,354.795 571.4,350.27 ; P34.2 589.427,350.27 571.4,350.27
RX3: *1.15 P37.2 | length 66.5
  Bottom Layer w0.3: *1.15 528.796,354.316 533.95,349.162 580.304,349.162 P37.2
SCL: *1.SCL P36.1 | length 93.3
  Bottom Layer w0.3: *1.SCL 484.531,346.392 557.533,346.392 P36.1
SDA: *1.SDA P36.2 | length 95.9
  Bottom Layer w0.3: *1.SDA 486.517,346.946 562.059,346.946 P36.2
SS1: P5.2 U1.3 | length 32.1
  Top Layer w0.3: U1.3 500.235,424.565 499.925,424.875 499.925,427.65 500.875,428.6 504.75,428.6 508.7,432.55 517.627,432.55 P5.2
SS2: P5.1 U1.5 | length 32.4
  Top Layer w0.3: U1.5 506.08,423.295 505.404,423.971 505.404,428.129 509.271,431.996 522.153,431.996 P5.1
SS3: P7.2 U3.3 | length 26.6
  Top Layer w0.3: U3.3 515.89,424.565 516.625,425.3 516.625,430.6 517.467,431.442 526.749,431.442 P7.2
SS4: P7.1 U3.5 | length 31.7
  Top Layer w0.3: U3.5 517.655,423.295 517.3,423.65 517.3,429.621 518.504,430.825 528.592,430.825 532.55,434.783 535.17,434.783 P7.1
SS5: P9.2 U4.3 | length 24.8
  Top Layer w0.3: U4.3 527.965,424.565 528.375,424.975 528.375,429.825 532.779,434.229 539.767,434.229 P9.2
SS6: P9.1 U4.5 | length 30.2
  Top Layer w0.3: U4.5 529.43,423.295 529.15,423.575 529.15,429.8 533.025,433.675 544.293,433.675 P9.1
SS7: P11.2 U5.3 | length 24
  Top Layer w0.3: U5.3 539.69,424.565 540.125,425 540.125,431.275 541.65,432.8 548.568,432.8 P11.2
SS8: P11.1 U5.5 | length 29.8
  Top Layer w0.3: U5.5 541.134,423.295 540.679,423.75 540.679,431.046 541.879,432.246 553.094,432.246 P11.1
SS9: P12.2 U6.3 | length 21.2
  Top Layer w0.3: U6.3 551.615,424.565 552.05,425 552.05,429.2 557.2,434.35 560.348,434.35 P12.2
SS10: P12.1 U6.5 | length 26.9
  Top Layer w0.3: U6.5 554.601,423.225 552.958,423.225 552.604,423.579 552.604,428.904 557.375,433.675 564.753,433.675 P12.1
SS11: P14.2 U8.3 | length 18.6
  Top Layer w0.3: U8.3 563.14,424.565 563.65,425.075 563.65,427.421 P14.2
SS12: P14.1 U8.5 | length 24.3
  Top Layer w0.3: U8.5 565.005,423.295 564.275,424.025 564.275,427.263 571.237,434.225 575.534,434.225 P14.1
SS13: P16.2 U9.3 | length 19.7
  Top Layer w0.3: U9.3 575.04,424.565 575.625,425.15 575.625,432.108 577.996,434.479 580.938,434.479 P16.2
SS14: P16.1 U9.5 | length 25.4
  Top Layer w0.3: U9.5 576.655,423.295 576.179,423.771 576.179,431.879 578.225,433.925 585.464,433.925 P16.1
SS15: P17.2 U10.3 | length 17.4
  Top Layer w0.3: U10.3 587.115,424.565 587.55,425 587.55,430.625 594.04,437.115 P17.2
TX: *1.1 P30.1 | length 61.5
  Bottom Layer w0.3: *1.1 525.523,347.5 566.656,347.5 P30.1
TX1: *1.18 U7.0 | length 103.9
  Top Layer w0.3: U7.0 448.971,385.392 449.675,386.096 506.904,386.096 536.416,356.584 *1.18
TX2: *1.16 J1.2 J1.3 J1.4 J1.5 P22.2 P34.1 | length 185.2
  Top Layer w0.3: v1(577.9,409.975) 581.07,409.975 J1.4 ; J1.5 J1.4 ; J1.2 J1.3 J1.4 ; P34.1 598.392,344.675 605.252,344.675 P22.2
  Bottom Layer w0.3: v1(577.9,409.975) 574.15,406.225 574.15,386.525 566.55,378.925 540.436,378.925 531.336,369.825 *1.16 536.447,349.716 584.901,349.716 P34.1
TX3: *1.14 P37.1 | length 63.6
  Bottom Layer w0.3: *1.14 532.475,348.608 575.778,348.608 P37.1
V_BAT: P35.1 P35.2 U10.5 | length 29.9
  Top Layer w0.3: U10.5 598.545,423.295 604.27,429.02 P35.2
  Top Layer w1: P35.2 P35.1
pads on no net: *1.3V3 *1.5V *1.5V_2 *1.5V_3 *1.AREF *1.IOREF *1.NC J1.1 J1.6 J1.7 J1.8 J1.9 J1.14 J1.15 J1.16 J1.17 J1.18 J1.23 J1.24 J1.25 J1.26 J1.33 J1.34 J1.HOLE P101.1 P101.3 P101.5 P101.7 U7.26

## Polygon pours and split planes (outlines as drawn)
GND on Bottom Layer "GND_L02_P004" (solid, remove dead copper, pour order 4): 417.45,443.05 417.45,335.7 612.5,335.7 612.5,443.05
GND on Top Layer "GND_L01_P006" (solid, remove dead copper, pour order 6): 417.45,443.05 417.45,335.7 612.5,335.7 612.5,443.05

## Keep-outs
Keep-Out Layer:
  the board outline again, w0.254

## Other copper
Top Layer:
  rectangle net LED_RGB: 418.1,337.925 427.025,342.6
  rectangle net 5V_LED: 428.75,338.2 437.275,342.5
  rectangle net 5V_LINE: 439,338.475 447.325,342.325
  rectangle net 5V: 449.075,338.3 468.05,342.3
  rectangle net 3V3_01: 469.525,338.45 478.275,342.225
  rectangle net 3V3_02: 479.775,338.125 488.5,342.225
  rectangle net CHARGE_24_RELAY: 489.925,338.2 498.9,342.25
  rectangle net MOTOR_RELAY: 500.35,338.4 508.875,342.3
Bottom Layer:
  rectangle net LED_RGB: 418.175,337.875 427.1,342.575
  rectangle net 5V_LED: 428.8,338.225 437.2,342.525
  rectangle net 5V_LINE: 439.1,338.375 447.3,342.65
  rectangle net 5V: 449.05,337.975 467.925,342.6
  rectangle net 3V3_01: 469.4,338.325 478.175,342.3
  rectangle net 3V3_02: 479.425,337.9 488.575,342.4
  rectangle net CHARGE_24_RELAY: 489.975,338.25 498.625,342.4
  rectangle net MOTOR_RELAY: 500.1,338.375 508.875,342.3
  rectangle net RX2: 597.625,338.55 606.025,342.15

## Silkscreen, mask and mechanical layers (free items; w line width, h text height)
Top Overlay:
  text "IR8" at 469.9,434.7 h3 r270
  text "IR7" at 475.3,434.575 h3 r270
  text "SS15" at 593,434.575 h3 r270
  text "IR5" at 485.625,434.55 h3 r270
  text "IR6" at 480.35,434.5 h3 r270
  text "GND" at 516.475,434.5 h3 r270
  text "SS10" at 567.25,434.5 h3 r270
  text "LED PWM" at 511,434.475 h3 r270
  text "SS14" at 587.925,434.475 h3 r270
  text "SS2" at 526.5,434.45 h3 r270
  text "SS12" at 577.775,434.45 h3 r270
  text "IRSS2" at 459.975,434.425 h3 r270
  text "5V" at 500.975,434.425 h3 r270
  text "12V" at 506.1,434.425 h3 r270
  text "SS4" at 536.9,434.425 h3 r270
  text "SS6" at 547.15,434.425 h3 r270
  text "SS11" at 572.725,434.425 h3 r270
  text "IR9" at 495.725,434.4 h3 r270
  text "SS7" at 552.2,434.375 h3 r270
  text "SS9" at 562.275,434.375 h3 r270
  text "SS13" at 582.825,434.375 h3 r270
  text "SS3" at 531.575,434.35 h3 r270
  text "SS5" at 541.9,434.35 h3 r270
  text "SS8" at 557.25,434.35 h3 r270
  text "IRSS3" at 454.975,434.3 h3 r270
  text "SS1" at 521.65,434.3 h3 r270
  text "IRSS4" at 449.525,434.25 h3 r270
  text "IRSS1" at 465.075,434.25 h3 r270
  text "GND" at 598.175,434.075 h3 r270
  text "BAT FB" at 603.4,433.925 h3 r270
  text "BAT FB" at 608.725,433.875 h3 r270
  text "IR10" at 488.775,432.275 h3
  text "GND" at 427.7,431.15 h5
  text "GND" at 438.125,431.15 h5
  text "12V" at 418.55,430.825 h5
  text "3V3" at 470.05,348.125 h3 r270
  text "3V3" at 475.358,348.125 h3 r270
  text "3V3" at 480.667,348.125 h3 r270
  text "3V3" at 485.975,348.125 h3 r270
  text "5V" at 465.125,346.95 h3 r270
  text "5V" at 459.675,346.9 h3 r270
  text "5V" at 454.775,346.875 h3 r270
  text "5V" at 449.325,346.825 h3 r270
  text "5V" at 444.65,346.625 h3 r270
  text "5V" at 434.775,346.6 h3 r270
  text "5V" at 439.2,346.575 h3 r270
  text "5V" at 429.325,346.55 h3 r270
  text "LFB" at 548.85,344.125 h3 r90
  text "RFB" at 543.75,343.925 h3 r90
  text "CHRG / GND" at 551.275,343.875 h3
  text "TX" at 574.775,343.825 h3 r90
  text "RX2" at 605.45,343.775 h3 r90
  text "RDIR" at 538.525,343.75 h3 r90
  text "RX3" at 590.025,343.75 h3 r90
  text "RX2" at 600.35,343.75 h3 r90
  text "TX2" at 610.525,343.75 h3 r90
  text "LDIR" at 533.625,343.725 h3 r90
  text "RX" at 579.75,343.725 h3 r90
  text "SCL" at 564.275,343.575 h3 r90
  text "LPWM" at 528.575,343.525 h3 r90
  text "TX3" at 584.75,343.5 h3 r90
  text "CHRG" at 490.1,343.45 h3
  text "TX2" at 594.85,343.45 h3 r90
  text "RGB" at 419.725,343.4 h3
  text "MOTOR" at 499.675,343.4 h3
  text "RPWM" at 523.2,343.375 h3 r90
  text "L_BRK" at 518.275,343.35 h3 r90
  text "SDA" at 569.325,343.325 h3 r90
  text "R_BRK" at 512.725,343.3 h3 r90